# Altium PCB roach2.PcbDoc (part 33 of 39)
Units mil, origin at the board's own origin, x right, y up, seen from the top; angles counter-clockwise.
Board outline 12007.87 x 9606.3 mil, 16 copper layers (L1_TOP, L2_G, L3_S, L4_G, L5_S, L6_P, L7_G, L8_R, L9_R, L10_P, L11_P, L12_S, L13_P, L14_S, L15_G, L16_BOT), stack 81.651 mil thick; 1568 components, 1918 nets, 9251 pads, 6741 vias.
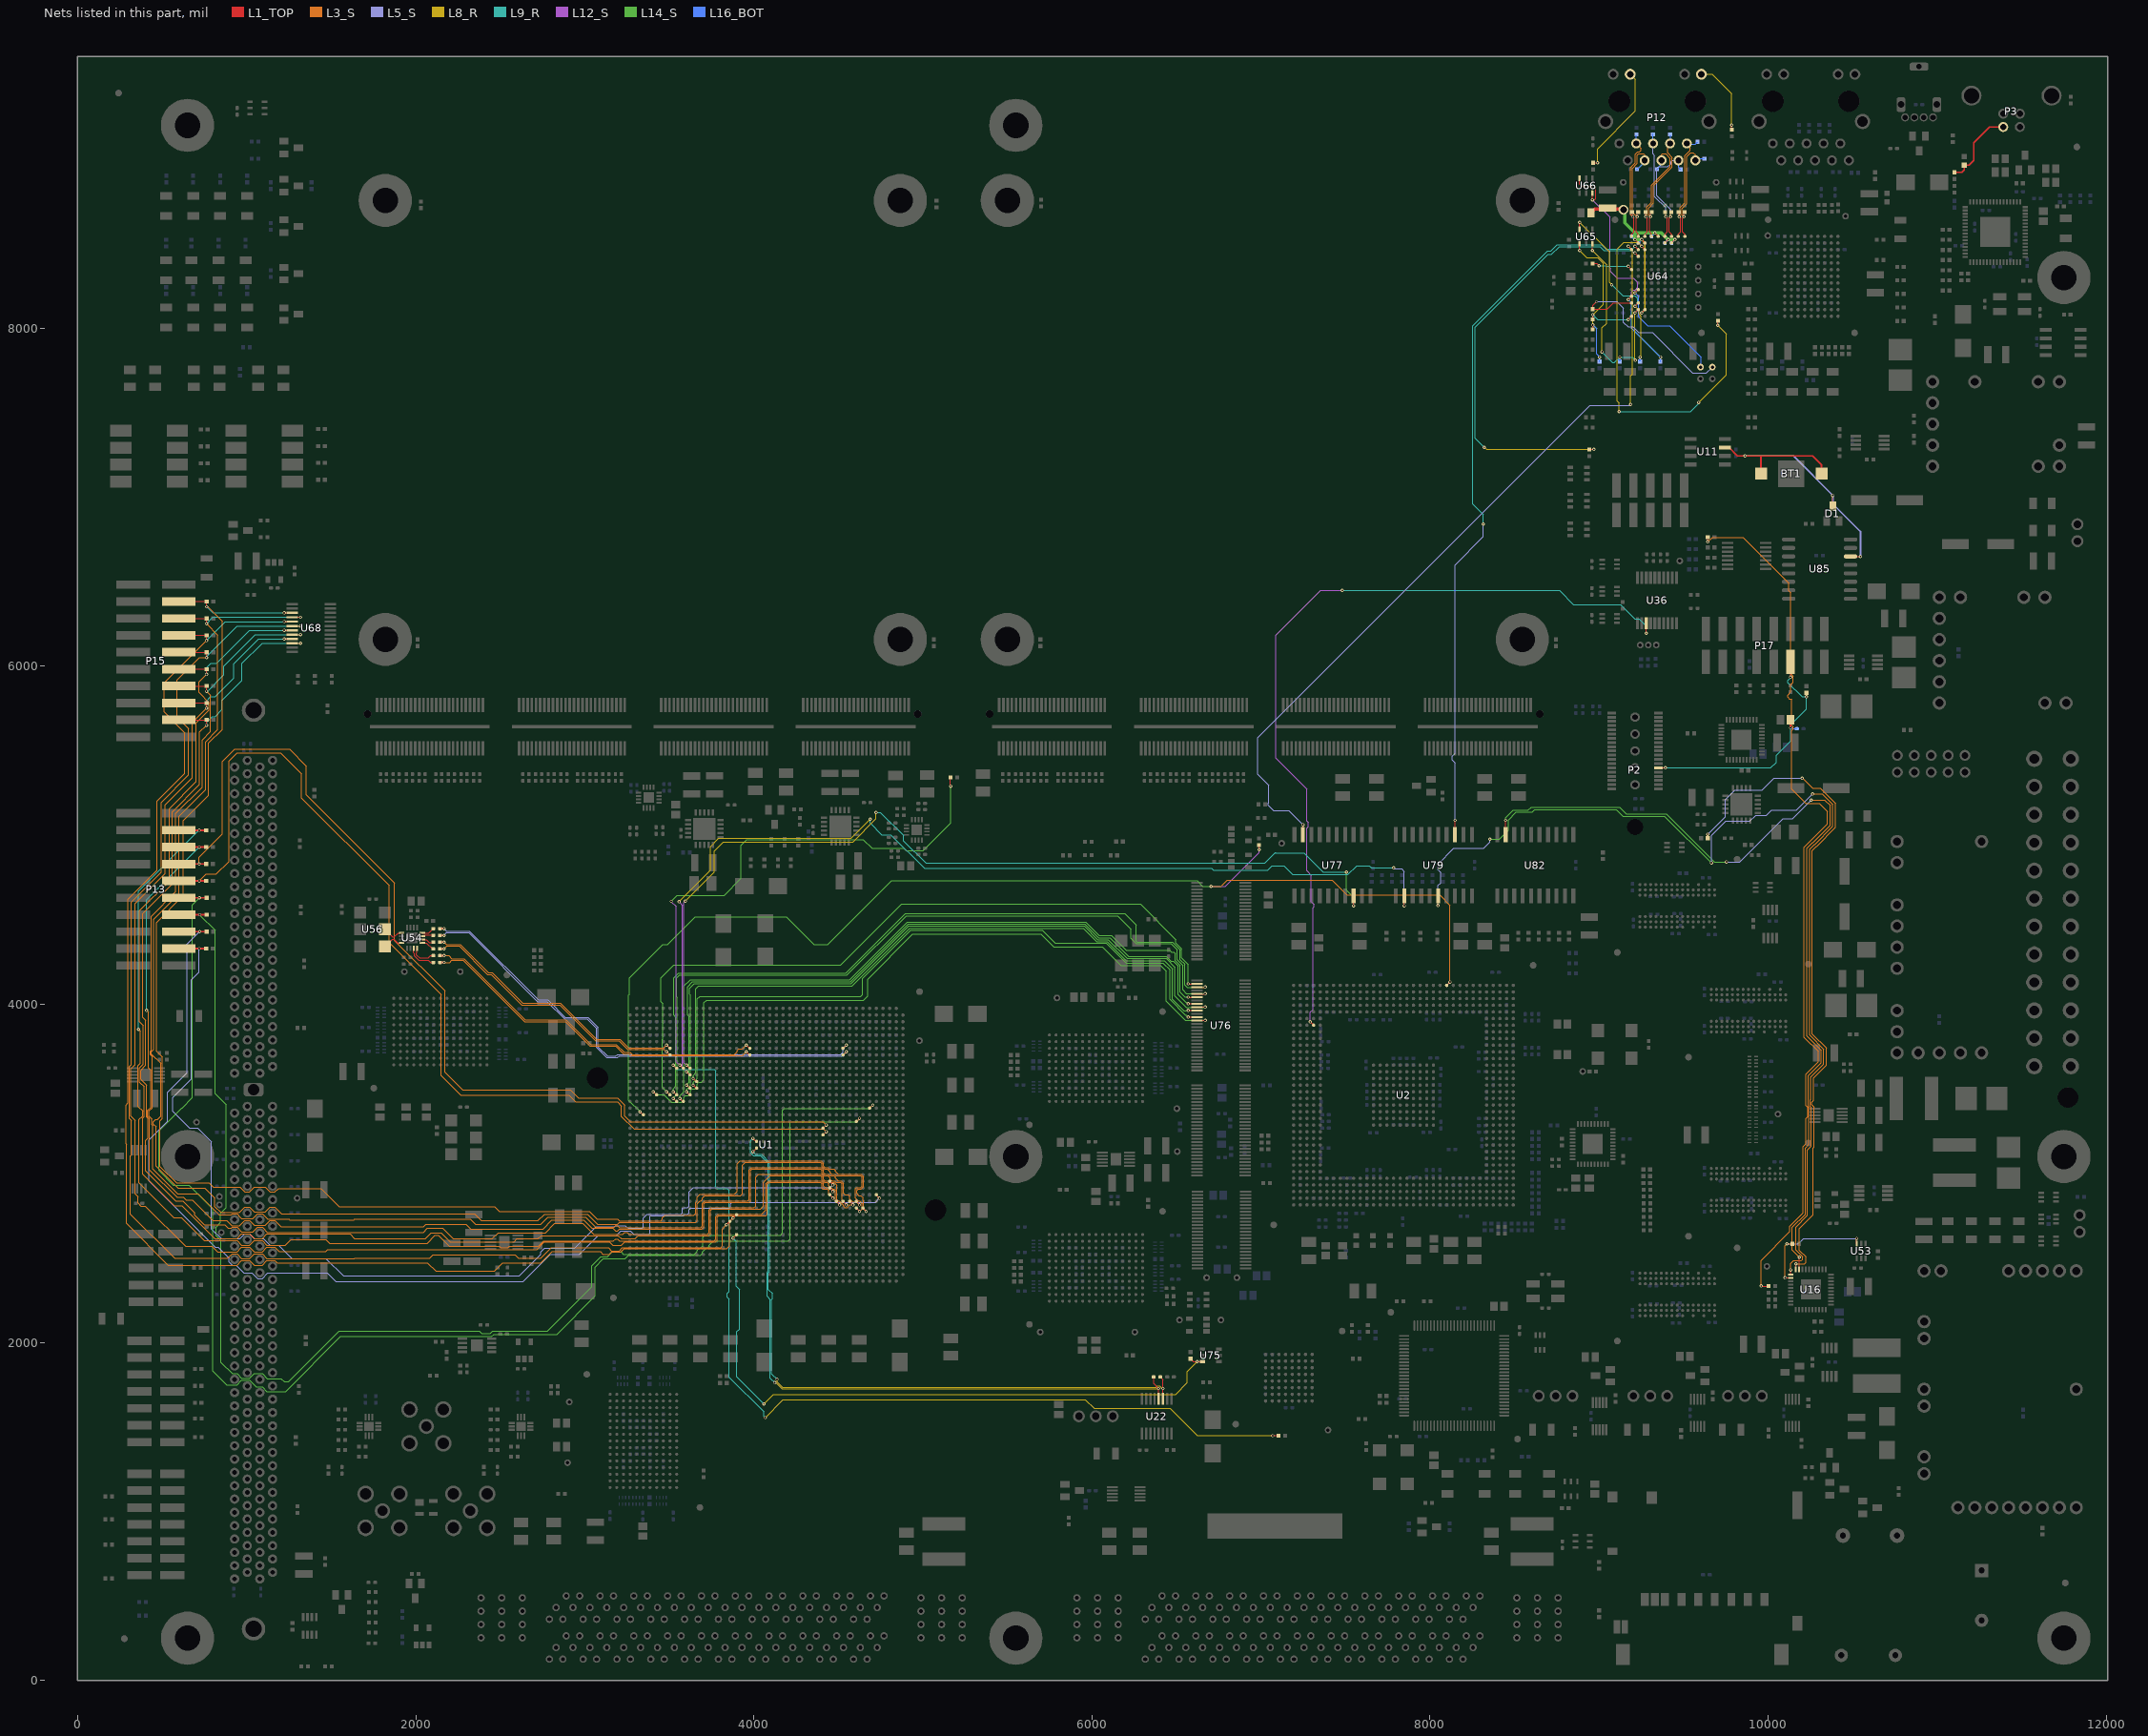
[diagram p47: the nets of this part, all layers, seen from the top]

## Via types
v1: diameter 19.4, hole 10, L1_TOP to L16_BOT, tented both sides, 3354 vias
v2: diameter 19.4, hole 10, L1_TOP to L16_BOT, 1954 vias
v3: diameter 19.4, hole 10, L1_TOP to L16_BOT, tented top, 429 vias
v4: diameter 18.6, hole 10, L1_TOP to L16_BOT, tented both sides, 311 vias
v5: diameter 59.06, hole 39.37, L1_TOP to L16_BOT, 217 vias
v6: diameter 19.4, hole 10.04, L1_TOP to L16_BOT, 125 vias
v7: diameter 19, hole 10, L1_TOP to L16_BOT, 93 vias
v8: diameter 19.4, hole 10, L1_TOP to L16_BOT, tented bottom, 80 vias
v9: diameter 25.98, hole 12.99, L1_TOP to L16_BOT, tented top, 55 vias
v10: diameter 20, hole 10, L1_TOP to L16_BOT, 53 vias
v11: diameter 59.06, hole 39.37, L1_TOP to L16_BOT, tented top, 44 vias
v12: diameter 20, hole 10, L1_TOP to L16_BOT, tented top, 16 vias
v13: diameter 19, hole 10, L1_TOP to L16_BOT, tented top, 5 vias
v14: diameter 25.98, hole 12.99, L1_TOP to L16_BOT, 4 vias
v15: diameter 50, hole 28, L1_TOP to L16_BOT, 1 vias

## Nets (pads, with @x,y where several pads share a name; then routed paths per layer and width w, separated by ;. In a path a pad name is that pad's centre, name@x,y a point inside that pad or via, vN(x,y) a via of type N, cw(c..) or ccw(c..) an arc to the next point about the centre after c; other vN are vias at no path point) (continued)
UART1_TX: U2.D28 U36.13 | length 4915
  L1_TOP w5: v1(7291.81,3896.06) U2.D28@7311.5,3876.38 ; v2(9279.02,6195.46) U36.13@9279.02,6254.15
  L9_R w3.8: v2(7480.99,6448.99) 8764.99,6448.99 8848.99,6364.99 9126.99,6364.99 9212.99,6278.99 9236.99,6278.99 9279.02,6236.97 v2(9279.02,6195.46)
  L12_S w3.8: v1(7291.81,3896.06) 7291.81,3952.74 7307.41,3968.34 7307.41,4570.66 7313.59,4576.85 7313.59,4592.03 7296.99,4608.63 7296.99,4763.68 7270.39,4790.28 7270.39,5040.67 7279,5049.28 7279,5076.07 7270.39,5084.68 7270.39,5274 7086.99,5457.4 7086.99,6182.99 7352.99,6448.99 v2(7480.99,6448.99)
V6_GPIO0: P15.17 SP36.2 U1.G31 U68.3 | length 9230.7
  L1_TOP w5: P15.17@598.03,6383.78 598.82,6382.99 SP36.2@762.99,6382.99 v2(762.99,6351.99) ; v2(1221.62,6315.56) U68.3@1269.79,6315.56 ; U1.G31@4644.77,2793.74 v1(4664.46,2774.05)
  L3_S w3.8: v2(762.99,6351.99) 767.99,6351.99 854.99,6264.99 854.99,5626.99 774.99,5546.99 774.99,5235.99 626,5087 626,4644.8 466.19,4484.99 466.19,3721.38 500.57,3687 500.57,3324.92 486.99,3311.34 486.99,3040.99 584.99,2942.99 776.99,2942.99 800.99,2918.99 959.99,2918.99 989.13,2889.85 1016.85,2889.85 1044.4,2917.4 1111.19,2917.4 1138.74,2889.85 1166.46,2889.85 1187.34,2910.73 1439.25,2910.73 1546.99,2802.99 1642.99,2802.99 ; 1637.99,2802.99 1642.99,2802.99 ; v1(4664.46,2774.05) 4648.79,2789.72 4648.79,2839.19 4644.99,2842.99 4644.99,2856.99 4632.99,2868.99 4620.99,2868.99 4609.49,2880.5 4609.49,2898.63 4619,2908.13 4634.78,2908.13 4648.86,2922.21 4648.86,2970.99 4648.49,2971.36 4648.49,2980.6 4634.78,2994.3 4597.04,2994.3 4596.67,2994.67 4499.31,2994.67 4483.21,3010.78 4483.21,3016.74 4474.07,3025.87 4445.73,3025.87 4437.56,3034.04 4421.77,3034.04 4412.64,3043.18 4412.64,3058.97 4398.19,3073.41 4092.57,3073.41 4092.2,3073.04 3917.76,3073.04 3900.82,3056.11 3900.82,2892.99 3884.03,2876.19 3681.54,2876.19 3664.6,2859.26 3664.6,2836.6 3656.43,2828.43 3656.43,2764.43 3644.99,2752.99 3474.99,2752.99 3459.58,2737.58 3459.58,2728.22 3450.44,2719.08 3206.06,2719.08 3194.54,2730.6 3071.38,2730.6 3026.99,2774.99 2494.99,2774.99 2466.99,2802.99 1642.99,2802.99
  L9_R w3.8: v2(762.99,6351.99) 799.43,6315.56 v2(1221.62,6315.56)
V6_GPIO1: P15.15 SP35.2 U1.H31 U68.4 | length 9354.5
  L1_TOP w5: P15.15@598.03,6282.99 762.2,6282.99 v2(762.2,6251.99) ; U68.4@1269.79,6289.97 v2(1317.95,6289.97) ; U1.H31@4605.4,2793.74 v1(4625.09,2774.05)
  L3_S w3.8: v2(762.2,6251.99) 828.99,6185.2 828.99,5624.99 756.99,5552.99 756.99,5270.99 599,5113 599,4651.46 450.39,4502.85 450.39,3732.36 437.2,3719.17 437.2,3706.25 492.77,3650.68 492.77,3339.47 472.02,3318.71 461.65,3318.71 447.39,3304.45 447.39,3291.53 462.99,3275.93 462.99,3042.99 592.99,2912.99 750.99,2912.99 810.99,2852.99 810.99,2803.81 847.09,2767.72 957.56,2767.72 989.13,2799.29 1016.85,2799.29 1044.4,2771.74 1111.19,2771.74 1138.74,2799.29 1166.46,2799.29 1204.75,2760.99 1642.99,2760.99 ; 1637.99,2760.99 1642.99,2760.99 ; v1(4625.09,2774.05) 4640.99,2789.96 4640.99,2821.19 4624.99,2837.19 4618.63,2837.19 4601.32,2854.5 4601.32,2909.32 4607.93,2915.93 4631.55,2915.93 4640.69,2925.07 4640.69,2977.37 4631.55,2986.5 4485.48,2986.5 4477.31,2994.67 4461.14,2994.67 4452.01,3003.81 4452.01,3008.57 4434.7,3025.87 4417.39,3025.87 4404.47,3038.8 4404.47,3056.11 4395.33,3065.24 3949.33,3065.24 3932.39,3048.31 3932.39,2878.39 3922.39,2868.39 3710.39,2868.39 3695.8,2853.8 3695.8,2846.33 3686.67,2837.19 3681.91,2837.19 3664.6,2819.89 3664.6,2718.6 3656.91,2710.91 3206.05,2710.91 3194.54,2699.4 3076.58,2699.4 3016.99,2758.99 2760.99,2758.99 2722.99,2720.99 2386.99,2720.99 2346.99,2760.99 1642.99,2760.99
  L9_R w3.8: v2(762.2,6251.99) 800.18,6289.97 v2(1317.95,6289.97)
V6_GPIO2: P15.13 SP34.2 U1.AF32 U68.5 | length 8505.4
  L1_TOP w5: P15.13@598.03,6182.99 762.2,6182.99 v2(762.2,6151.99) ; v2(1221.62,6264.38) U68.5@1269.79,6264.38 ; v1(3877.05,2734.68) U1.AF32@3896.74,2754.37
  L3_S w3.8: v2(762.2,6151.99) 510.99,5900.78 510.99,5728.99 632.99,5606.99 632.99,5364.99 470.79,5202.79 470.79,4792.52 298.89,4620.62 298.89,3416.41 285.39,3402.91 285.39,3176.53 288.99,3172.93 288.99,2702.99 535.21,2456.78 942.05,2456.78 969.6,2484.33 1016.85,2484.33 1044.4,2456.78 1091.66,2456.78 1119.2,2484.33 1166.46,2484.33 1179.79,2470.99 2068.99,2470.99 2118.99,2420.99 2464.99,2420.99 2514.99,2470.99 2740.99,2470.99 2806.99,2536.99 3090.99,2536.99 3106.99,2520.99 3145.86,2520.99 3158.99,2534.12 3214.12,2534.12 3233.43,2553.43 3839.43,2553.43 3856.99,2570.99 3856.99,2714.62 v1(3877.05,2734.68)
  L9_R w3.8: v2(762.2,6151.99) 762.2,6154.2 872.38,6264.38 v2(1221.62,6264.38)
V6_GPIO3: P15.11 SP33.2 U1.AG33 U68.6 | length 8327.2
  L1_TOP w5: P15.11@598.03,6082.99 762.2,6082.99 v2(762.2,6051.99) ; U68.6@1269.79,6238.79 v2(1317.95,6238.79) ; v1(3837.68,2695.31) U1.AG33@3857.37,2715
  L3_S w3.8: 306.12,3412.6 306.12,3324.92 316.59,3314.45 316.59,3108.59 312.99,3104.99 312.99,2758.99 574.99,2496.99 887.63,2496.99 914.33,2523.7 942.05,2523.7 969.6,2496.15 1016.85,2496.15 1044.4,2523.7 1091.66,2523.7 1119.2,2496.15 1637.15,2496.15 ; 306.69,3413.18 306.69,3632.13 318,3643.44 318,4606.07 494.59,4782.66 494.59,5194.59 656.99,5356.99 656.99,5630.99 586.99,5700.99 586.99,5918.99 719.99,6051.99 v2(762.2,6051.99) ; 1637.99,2496.99 2081.89,2496.99 2103.32,2518.42 2586.63,2518.42 2608.05,2496.99 2740.99,2496.99 2802.99,2558.99 3140.99,2558.99 3158.06,2541.92 3203.68,2541.92 3223.36,2561.6 3804.78,2561.6 3813.91,2570.74 3813.91,2671.54 v1(3837.68,2695.31)
  L9_R w3.8: v2(762.2,6051.99) 762.2,6056.2 944.79,6238.79 v2(1317.95,6238.79)
V6_GPIO4: P15.9 SP32.2 U1.L30 U68.7 | length 8892.2
  L1_TOP w5: P15.9@598.03,5982.99 762.2,5982.99 v2(762.2,5951.99) ; v2(1221.62,6213.2) U68.7@1269.79,6213.2 ; U1.L30@4487.29,2833.11 v1(4506.98,2813.42)
  L3_S w3.8: v2(762.2,5951.99) 716.99,5906.78 716.99,5844.99 777.8,5784.18 777.8,5741.8 700.99,5664.99 700.99,5316.99 542,5158 542,4729.09 366,4553.09 366,3897 387.19,3875.81 387.19,3645.6 365.59,3624 365.59,3539.99 392.57,3513 392.57,3336.24 384.99,3328.66 384.99,2994.99 570.99,2808.99 617.01,2808.99 811.74,2614.26 942.05,2614.26 969.6,2641.81 1016.85,2641.81 1044.4,2614.26 1091.66,2614.26 1119.2,2641.81 1611.18,2641.81 1637.99,2614.99 2056.99,2614.99 2090.99,2648.99 2150.99,2648.99 2204.59,2595.39 2581.39,2595.39 2598.99,2612.99 2722.99,2612.99 2742.17,2632.17 3197.81,2632.17 3216.99,2612.99 3296.99,2612.99 3316.17,2632.17 3734.17,2632.17 3743.34,2641.34 3743.34,2780.52 3752.48,2789.65 4039.65,2789.65 4056.99,2806.99 4056.99,2946.99 4096.5,2986.5 4395.33,2986.5 4404.47,2977.37 4404.47,2960.06 4417.39,2947.13 4434.7,2947.13 4443.84,2938 4443.84,2928.15 4464.22,2907.76 4474.07,2907.76 4483.21,2898.63 4483.21,2837.19 v1(4506.98,2813.42)
  L9_R w3.8: v2(762.2,5951.99) 762.2,5992.2 788.99,6018.99 822.99,6018.99 1017.2,6213.2 v2(1221.62,6213.2)
V6_GPIO5: P15.7 SP31.2 U1.H30 U68.8 | length 8870.5
  L1_TOP w5: P15.7@598.03,5882.99 762.2,5882.99 v2(762.2,5851.99) ; U68.8@1269.79,6187.61 v2(1317.95,6187.61) ; U1.H30@4605.4,2833.11 v1(4625.09,2813.42)
  L3_S w3.8: v2(762.2,5851.99) 785.6,5828.59 785.6,5613.6 736.99,5564.99 736.99,5284.99 581,5129 581,4667.12 434.59,4520.71 434.59,3727.59 429.4,3722.4 429.4,3703.02 440.39,3692.03 440.39,3387.29 421.92,3368.82 421.92,3339.47 439.59,3321.79 439.59,3288.3 444.99,3282.9 444.99,3024.99 590.99,2878.99 710.99,2878.99 834.99,2754.99 909.41,2754.99 914.33,2759.92 942.05,2759.92 961.65,2740.32 969.6,2732.37 1036.39,2732.37 1063.94,2759.92 1091.66,2759.92 1122.58,2728.99 1250.28,2728.99 1254.88,2724.39 1633.39,2724.39 1637.99,2728.99 2322.99,2728.99 2352.99,2698.99 2740.99,2698.99 2782.99,2740.99 3004.99,2740.99 3063.19,2682.79 3173.18,2682.79 3181.62,2691.23 3194.54,2691.23 3206.43,2679.34 3680.99,2679.34 ; 3681.36,2679.71 3686.67,2679.71 3695.8,2688.85 3695.8,2772.99 ; 3696.17,2773.36 3696.17,2823.12 3709.88,2836.82 3954.82,2836.82 ; 3955.19,2837.19 3962.26,2837.19 3971.39,2846.33 3971.39,3012.99 ; 3971.76,3013.36 3971.76,3019.97 3985.84,3034.04 4398.19,3034.04 4412.64,3019.6 4412.64,3003.81 4422.14,2994.3 4440.36,2994.3 4448.16,2986.5 4474.45,2986.5 4483.21,2977.75 4483.21,2972.61 4500.51,2955.3 4506.99,2955.3 ; 4507.36,2954.93 4516.67,2954.93 4530.75,2940.86 4530.75,2880.99 4538.75,2872.99 4558.99,2872.99 4566.99,2864.99 4566.99,2848.99 4584.99,2830.99 4607.52,2830.99 v1(4625.09,2813.42)
  L9_R w3.8: v2(762.2,5851.99) 767.99,5851.99 864.99,5948.99 864.99,6000.99 1051.61,6187.61 v2(1317.95,6187.61)
V6_GPIO6: P15.5 SP30.2 U1.M29 U68.9 | length 8821.9
  L1_TOP w5: P15.5@598.03,5782.99 762.2,5782.99 v2(762.2,5751.99) ; v2(1221.62,6162.02) U68.9@1269.79,6162.02 ; U1.M29@4447.92,2872.48 v1(4467.61,2852.79)
  L3_S w3.8: 336.99,3108.99 338.99,3106.99 ; v2(762.2,5751.99) 678.99,5668.78 678.99,5340.99 518.39,5180.39 518.39,4772.8 341,4595.41 341,3644.1 314.49,3617.59 314.49,3409.94 313.92,3409.37 313.92,3339.47 338.99,3314.39 338.99,3106.99 ; v1(4467.61,2852.79) 4443.84,2876.56 4443.84,2898.63 4434.7,2907.76 4410.22,2907.76 4404.47,2913.52 4404.47,2938 4395.33,2947.13 4091.13,2947.13 4078.99,2934.99 4078.99,2758.99 4070.28,2750.28 3791.85,2750.28 3782.71,2741.15 3782.71,2602.71 3772.8,2592.8 3234.8,2592.8 3215.12,2573.12 3164.31,2573.12 3144.62,2592.8 2760.8,2592.8 2716.99,2548.99 1479.09,2548.99 1467.67,2537.56 1191.96,2537.56 1166.46,2563.07 1119.2,2563.07 1091.66,2535.52 1044.4,2535.52 1016.85,2563.07 969.6,2563.07 942.05,2535.52 827.48,2535.52 795,2568 637.98,2568 398.99,2806.99 374.99,2806.99 356.97,2825.01 356.97,2861.01 338.99,2878.99 338.99,3106.99
  L9_R w3.8: v2(762.2,5751.99) 762.2,5796.2 784.99,5818.99 812.99,5818.99 922.99,5928.99 922.99,6014.99 1070.02,6162.02 v2(1221.62,6162.02)
V6_GPIO7: P15.3 SP29.2 U1.J30 U68.10 | length 8915.3
  L1_TOP w5: P15.3@598.03,5682.99 762.2,5682.99 v2(762.2,5651.99) ; U68.10@1269.79,6136.43 v2(1317.95,6136.43) ; U1.J30@4566.03,2833.11 v1(4585.72,2813.42)
  L3_S w3.8: v2(762.2,5651.99) 720.99,5610.78 720.99,5300.99 559,5139 559,4712.43 385,4538.43 385,3923 402.99,3905.01 402.99,3639.05 373.39,3609.45 373.39,3554.53 406.32,3521.6 406.32,3333.01 416.59,3322.73 416.59,3208.53 402.99,3194.93 402.99,3014.99 580.99,2836.99 622.99,2836.99 692.99,2766.99 692.99,2752.99 749.98,2696 871,2696 891,2676 909.15,2676 914.33,2681.18 942.05,2681.18 969.6,2653.63 1036.39,2653.63 1063.94,2681.18 1091.66,2681.18 1121.84,2650.99 2044.99,2650.99 2068.99,2674.99 2158.99,2674.99 2221.42,2612.56 2452.56,2612.56 2488.99,2648.99 2766.99,2648.99 2821.42,2703.42 2988.42,2703.42 3051.87,2639.97 3224.79,2639.97 3236.67,2651.86 3249.6,2651.86 3261.11,2640.34 3726.04,2640.34 3735.54,2649.85 3735.54,2783.75 3749.62,2797.82 4001.63,2797.82 4010.76,2806.96 4010.76,2976.76 4028.3,2994.3 4398.56,2994.3 4412.64,2980.23 4412.64,2964.44 4421.77,2955.3 4444.7,2955.3 4452.87,2947.13 4474.07,2947.13 4491.38,2929.83 4491.38,2846.33 4500.51,2837.19 4505.27,2837.19 4530.75,2811.72 4530.75,2806.96 4539.88,2797.82 4552.81,2797.82 4568.41,2813.42 v1(4585.72,2813.42)
  L9_R w3.8: v2(762.2,5651.99) 762.2,5668.2 796.99,5702.99 812.99,5702.99 852.99,5742.99 852.99,5796.99 972.99,5916.99 972.99,6016.99 1092.43,6136.43 v2(1317.95,6136.43)
V6_GPIO8: P13.17 SP28.2 U1.M28 | length 7189.3
  L1_TOP w5: U1.M28@4447.92,2911.85 v1(4467.61,2892.16)
  L1_TOP w10: P13.17@598.03,5030.79 598.82,5030 v7(719,5030) SP28.2@760,5030
  L3_S w3.8: v7(360,3852) 371.39,3840.61 371.39,3652.14 357.79,3638.54 357.79,3395.8 384.77,3368.82 384.77,3339.47 362.99,3317.69 362.99,2942.99 568.99,2736.99 612.99,2736.99 747.55,2602.44 942.05,2602.44 969.6,2574.89 1016.85,2574.89 1044.4,2602.44 1091.66,2602.44 1119.2,2574.89 1229.57,2574.89 1263.1,2608.42 1467.67,2608.42 1489.09,2586.99 1640.99,2586.99 ; 1637.99,2586.99 1640.99,2586.99 ; v1(4467.61,2892.16) 4444.21,2915.56 4422.14,2915.56 4412.64,2925.07 4412.64,2940.86 4398.56,2954.93 4087.9,2954.93 4071.19,2938.22 4071.19,2783.19 4046.08,2758.08 3788.62,2758.08 3774.91,2744.38 3774.91,2610.48 3765.41,2600.97 3759.31,2600.97 3758.94,2600.6 3206.43,2600.6 3194.54,2612.49 3181.62,2612.49 3169.73,2600.6 2757.57,2600.6 2725.96,2568.99 2553.04,2568.99 2544.01,2559.96 2503.53,2559.96 2494.5,2568.99 2196.99,2568.99 2132.99,2632.99 2114.99,2632.99 2068.99,2586.99 1640.99,2586.99
  L9_R w3.8: v7(360,3852) 360,4671 v7(719,5030)
V6_GPIO9: P13.15 SP27.2 U1.K30 | length 7124.8
  L1_TOP w5: U1.K30@4526.66,2833.11 v1(4546.35,2813.42)
  L1_TOP w10: P13.15@598.82,4930 v7(719,4930) SP27.2@760,4930
  L3_S w3.8: v7(408,3964) 418.79,3953.21 418.79,3623.25 432.59,3609.45 432.59,3390.52 414.12,3372.05 414.12,3336.24 424.99,3325.36 424.99,3020.99 586.99,2858.99 624.99,2858.99 642.99,2840.99 678.99,2840.99 799.98,2720 880.07,2720 911.1,2688.98 957.56,2688.98 989.13,2720.55 1016.85,2720.55 1044.4,2693 1111.19,2693 1138.74,2720.55 1166.46,2720.55 1202.01,2684.99 2044.99,2684.99 2058.99,2698.99 2296.99,2698.99 2324.99,2670.99 2752.99,2670.99 2804.99,2722.99 2992.99,2722.99 3040.99,2674.99 3166.65,2674.99 3181.62,2660.03 3194.54,2660.03 3206.05,2671.54 3693.54,2671.54 3703.97,2681.97 3703.97,2819.89 3713.11,2829.02 3962.26,2829.02 ; 3962.29,2828.99 3974.99,2828.99 3979.56,2833.56 3979.56,3016.74 3988.7,3025.87 4395.33,3025.87 4404.47,3016.74 4404.47,2999.43 4417.39,2986.5 4437.13,2986.5 4452,2971.64 4452,2964.45 4461.51,2954.93 4477.3,2954.93 4485.1,2947.13 4513.44,2947.13 4522.58,2938 4522.58,2837.19 v1(4546.35,2813.42)
  L9_R w3.8: v7(408,3964) 408,4619 v7(719,4930)
V6_GPIO10: P13.13 SP26.2 U1.N19 | length 5993.7
  L1_TOP w5: U1.N19@4408.55,3266.18 4409.77,3267.4 v1(4428.24,3285.87)
  L1_TOP w10: P13.13@598.82,4830 v7(719,4830) SP26.2@760,4830
  L3_S w3.8: v7(719,4830) 719,4869 856.99,5006.99 856.99,5436.99 928.99,5508.99 1252.99,5508.99 1352.99,5408.99 1352.99,5238.99 1874.99,4716.99 1874.99,4376.99 2172.99,4078.99 2172.99,3596.99 2276.99,3492.99 2914.99,3492.99 2962.99,3444.99 3194.99,3444.99 3236.99,3402.99 3236.99,3338.99 3270.99,3304.99 4409.11,3304.99 v1(4428.24,3285.87)
V6_GPIO11: P13.11 SP25.2 U1.N20 | length 6085.9
  L1_TOP w5: U1.N20@4408.55,3226.81 4409.77,3228.03 v1(4428.24,3246.5)
  L1_TOP w10: P13.11@598.82,4730 v7(719,4730) SP25.2@760,4730
  L3_S w3.8: v7(719,4730) 759,4770 819,4770 894.73,4845.73 894.73,5438.73 942.99,5486.99 1200.99,5486.99 1324.99,5362.99 1324.99,5220.99 1842.99,4702.99 1842.99,4364.99 2148.99,4058.99 2148.99,3578.99 2264.99,3462.99 2906.99,3462.99 2946.99,3422.99 3192.99,3422.99 3216.99,3398.99 3216.99,3336.99 3291.89,3262.1 4412.64,3262.1 v1(4428.24,3246.5)
V6_GPIO12: P13.9 SP46.2 U1.H18 | length 8358.8
  L1_TOP w5: U1.H18@4605.4,3305.55 v1(4625.09,3325.24)
  L1_TOP w10: P13.9@599.45,4630 v7(719.63,4630) SP46.2@760.63,4630
  L14_S w3.94: v7(719.63,4630) 678,4588.37 678,3447.45 618.05,3387.5 617.5,3387.5 480,3250 480,3017 566,2931 659,2931 800,2790 800,1829 880.95,1748.05 942.08,1748.05 969.76,1775.73 1016.88,1775.73 1056.25,1736.36 1091.68,1736.36 1119.37,1708.68 1229.68,1708.68 1556,2035 2450,2035 2463,2048 2835,2048 3061.32,2274.32 3061.32,2445.32 3110.45,2494.45 3238.45,2494.45 3258.13,2514.13 3684.13,2514.13 3695.87,2525.87 3695.87,2536.29 3721.12,2561.54 3728.41,2561.54 3735.24,2568.37 3735.24,2575.66 3759.58,2600 4204,2600 4215.72,2611.72 4215.72,3301.72 4220,3306 4605.85,3306 v1(4625.09,3325.24)
V6_GPIO13: P13.7 SP45.2 U1.F16 | length 8094.1
  L1_TOP w5: U1.F16@4684.14,3384.29 v1(4703.83,3403.98)
  L1_TOP w10: P13.7@601.82,4530 v7(722,4530) SP45.2@763,4530
  L14_S w3.94: v7(722,4530) 812.53,4439.47 812.53,3471.47 878.35,3405.65 878.35,2797.35 844,2763 844,2709 818,2683 818,2631 847.01,2601.99 847.01,1881.99 913.9,1815.1 942.08,1815.1 969.76,1787.42 1016.88,1787.42 1044.56,1815.1 1091.68,1815.1 1120.79,1786 1204,1786 1222,1768 1249,1768 1547,2066 2377,2066 2390,2053 2442,2053 2455,2066 2779,2066 3041,2328 3041,2454 3095,2508 3134,2508 3160,2534 3215,2534 3226.93,2522.07 3648.07,2522.07 3664.54,2538.54 3664.54,2544.32 3673.71,2553.5 3679.5,2553.5 3699,2573 3699,2621 3713,2635 4157,2635 4168.58,2646.58 4168.58,3371.58
  L14_S w5: 4168.58,3371.58 4180,3383 4682.85,3383 v1(4703.83,3403.98)
V6_GPIO14: P13.5 SP44.2 U1.E29 | length 6696
  L1_TOP w5: U1.E29@4723.51,2872.48 v1(4743.2,2852.79)
  L1_TOP w10: P13.5@601.82,4430 v7(722,4430) SP44.2@763,4430
  L5_S w3.94: v7(722,4430) 648,4356 648,3595 533,3480 533,3307 423,3197 423,2954.21 814.89,2562.32 831.68,2562.32 894.66,2499.34 894.66,2476.35 914.3,2456.71 937.29,2456.71 984,2410 1031.88,2410 1063.91,2377.97 1091.68,2377.97 1123.71,2410 1477,2410 1526,2361 2636,2361 2796,2521 2968,2521 3078,2631 3121.29,2631 3122.53,2632.24 3185.24,2632.24 3213,2660 3270,2660 3290,2640 3380,2640 3385,2645 3385,2745.45 3390,2750.45 3584.04,2750.45 3591.98,2758.39 3607.95,2758.39 3617.13,2767.56 3617.13,2786.13 3626,2795 3856,2795 3861.39,2800.39 3861.39,2819.91 3870.56,2829.09 4719.5,2829.09 v1(4743.2,2852.79)
V6_GPIO15: P13.3 SP43.2 U1.M27 | length 6193.4
  L1_TOP w5: U1.M27@4447.92,2951.22 v1(4467.61,2931.53)
  L1_TOP w10: P13.3@598.82,4330 v7(719,4330) SP43.2@760,4330
  L5_S w3.94: v7(719,4330) 719,4191 672,4144 672,3560 562,3450 562,3366 660,3268 710,3268 792,3186 792,2671.72 849.53,2614.19 961.42,2614.19 989.1,2641.87 1016.88,2641.87 1044.56,2614.19 1099.34,2614.19 1138.71,2574.82 1189.18,2574.82 1268,2496 1469,2496 1572,2393 2611.69,2393 2738.66,2519.97 2738.66,2535.66 2761,2558 2939,2558 3066,2685 3175.29,2685 3181.59,2691.3 3238.7,2691.3 3255,2675 3340,2675 3345,2680 3345,2735 3368.39,2758.39 3479,2758.39 3568.58,2758.39 3577.76,2767.56 3577.76,2793.76 3582,2798 3582.24,2797.76 3607.95,2797.76 3617.13,2806.93 3617.13,2890.62 3642.38,2915.87 4451.94,2915.87 v1(4467.61,2931.53)
V6_IRQN: R86.1 U1.AY17 U2.AD34 | length 7058
  L1_TOP w5: v1(3325.87,3364.61) 3345.24,3345.24 U1.AY17@3345.56,3344.92 ; v2(6988.99,4914.65) R86.1@6988.99,4941.31 ; U2.AD34@8098.9,4112.6 v1(8118.58,4132.28)
  L3_S w3.8: v2(6704.99,4697.99) 6763.99,4697.99 6801.29,4735.29 7420.69,4735.29 7508.99,4646.99 8056.99,4646.99 8118.58,4585.4 v1(8118.58,4132.28)
  L12_S w3.8: v2(6704.99,4697.99) 6789.99,4697.99 6988.99,4896.99 v2(6988.99,4914.65)
  L14_S w3.8: v1@3326.77,3366.14 3259.99,3432.92 3259.99,4053.99 3264.99,4058.99 3264.99,4156.99 3460.99,4352.99 3488.99,4352.99 3652.99,4516.99 4190.99,4516.99 4354.99,4352.99 4438.73,4352.99 4816.13,4730.39 6622.6,4730.39 6654.99,4697.99 v2(6704.99,4697.99)
V6_TCK: U1.AN10 U77.18 | length 5724.1
  L1_TOP w5: v1(3601.46,3640.2) 3620.83,3620.83 U1.AN10@3621.15,3620.51 ; v2(7547.99,4583.31) U77.18@7547.99,4641.89
  L8_R w3.8: v2(3594.99,4610.99) 3766.99,4782.99 3766.99,4906.99 3820.99,4960.99 4586.99,4960.99 4722.99,5096.99 v3(4722.99,5134.99)
  L9_R w3.8: v3(4722.99,5134.99) 4748.99,5134.99 4884.99,4998.99 4884.99,4966.99 5016.99,4834.99 6850.93,4834.99 6852.53,4836.59 6865.45,4836.59 6867.05,4834.99 7022.99,4834.99 7084.91,4896.91 7085.24,4896.59 7253.39,4896.59 7366.99,4782.99 v2(7504.99,4782.99)
  L12_S w3.8: v2(3594.99,4610.99) 3586.39,4602.39 3586.39,3789.52 3585.86,3788.99 3585.86,3655.8 v1(3601.46,3640.2)
  L14_S w3.8: v2(7504.99,4782.99) 7504.99,4674.99 7547.99,4631.99 v2(7547.99,4583.31)
V6_TDI: R478.2 U1.AP10 | length 3304.7
  L1_TOP w5: v1(3562.09,3640.2) 3581.46,3620.83 U1.AP10@3581.78,3620.51 ; R478.2@5163.31,5342.99 5163.31,5292.68 v2(5164.99,5290.99)
  L12_S w3.8: v2(3510.99,4608.99) 3540.99,4578.99 3540.99,3661.3 v1(3562.09,3640.2)
  L14_S w3.8: v2(3510.99,4608.99) 3546.99,4644.99 3824.99,4644.99 3924.99,4744.99 3924.99,4940.99 3958.99,4974.99 4646.99,4974.99 4698.99,4922.99 4775.93,4922.99 4776.53,4923.59 4886.39,4923.59 4900.99,4908.99 5000.99,4908.99 5164.99,5072.99 v2(5164.99,5290.99)